# KiCad board Bestellung Rev.1.kicad_pcb (continued)
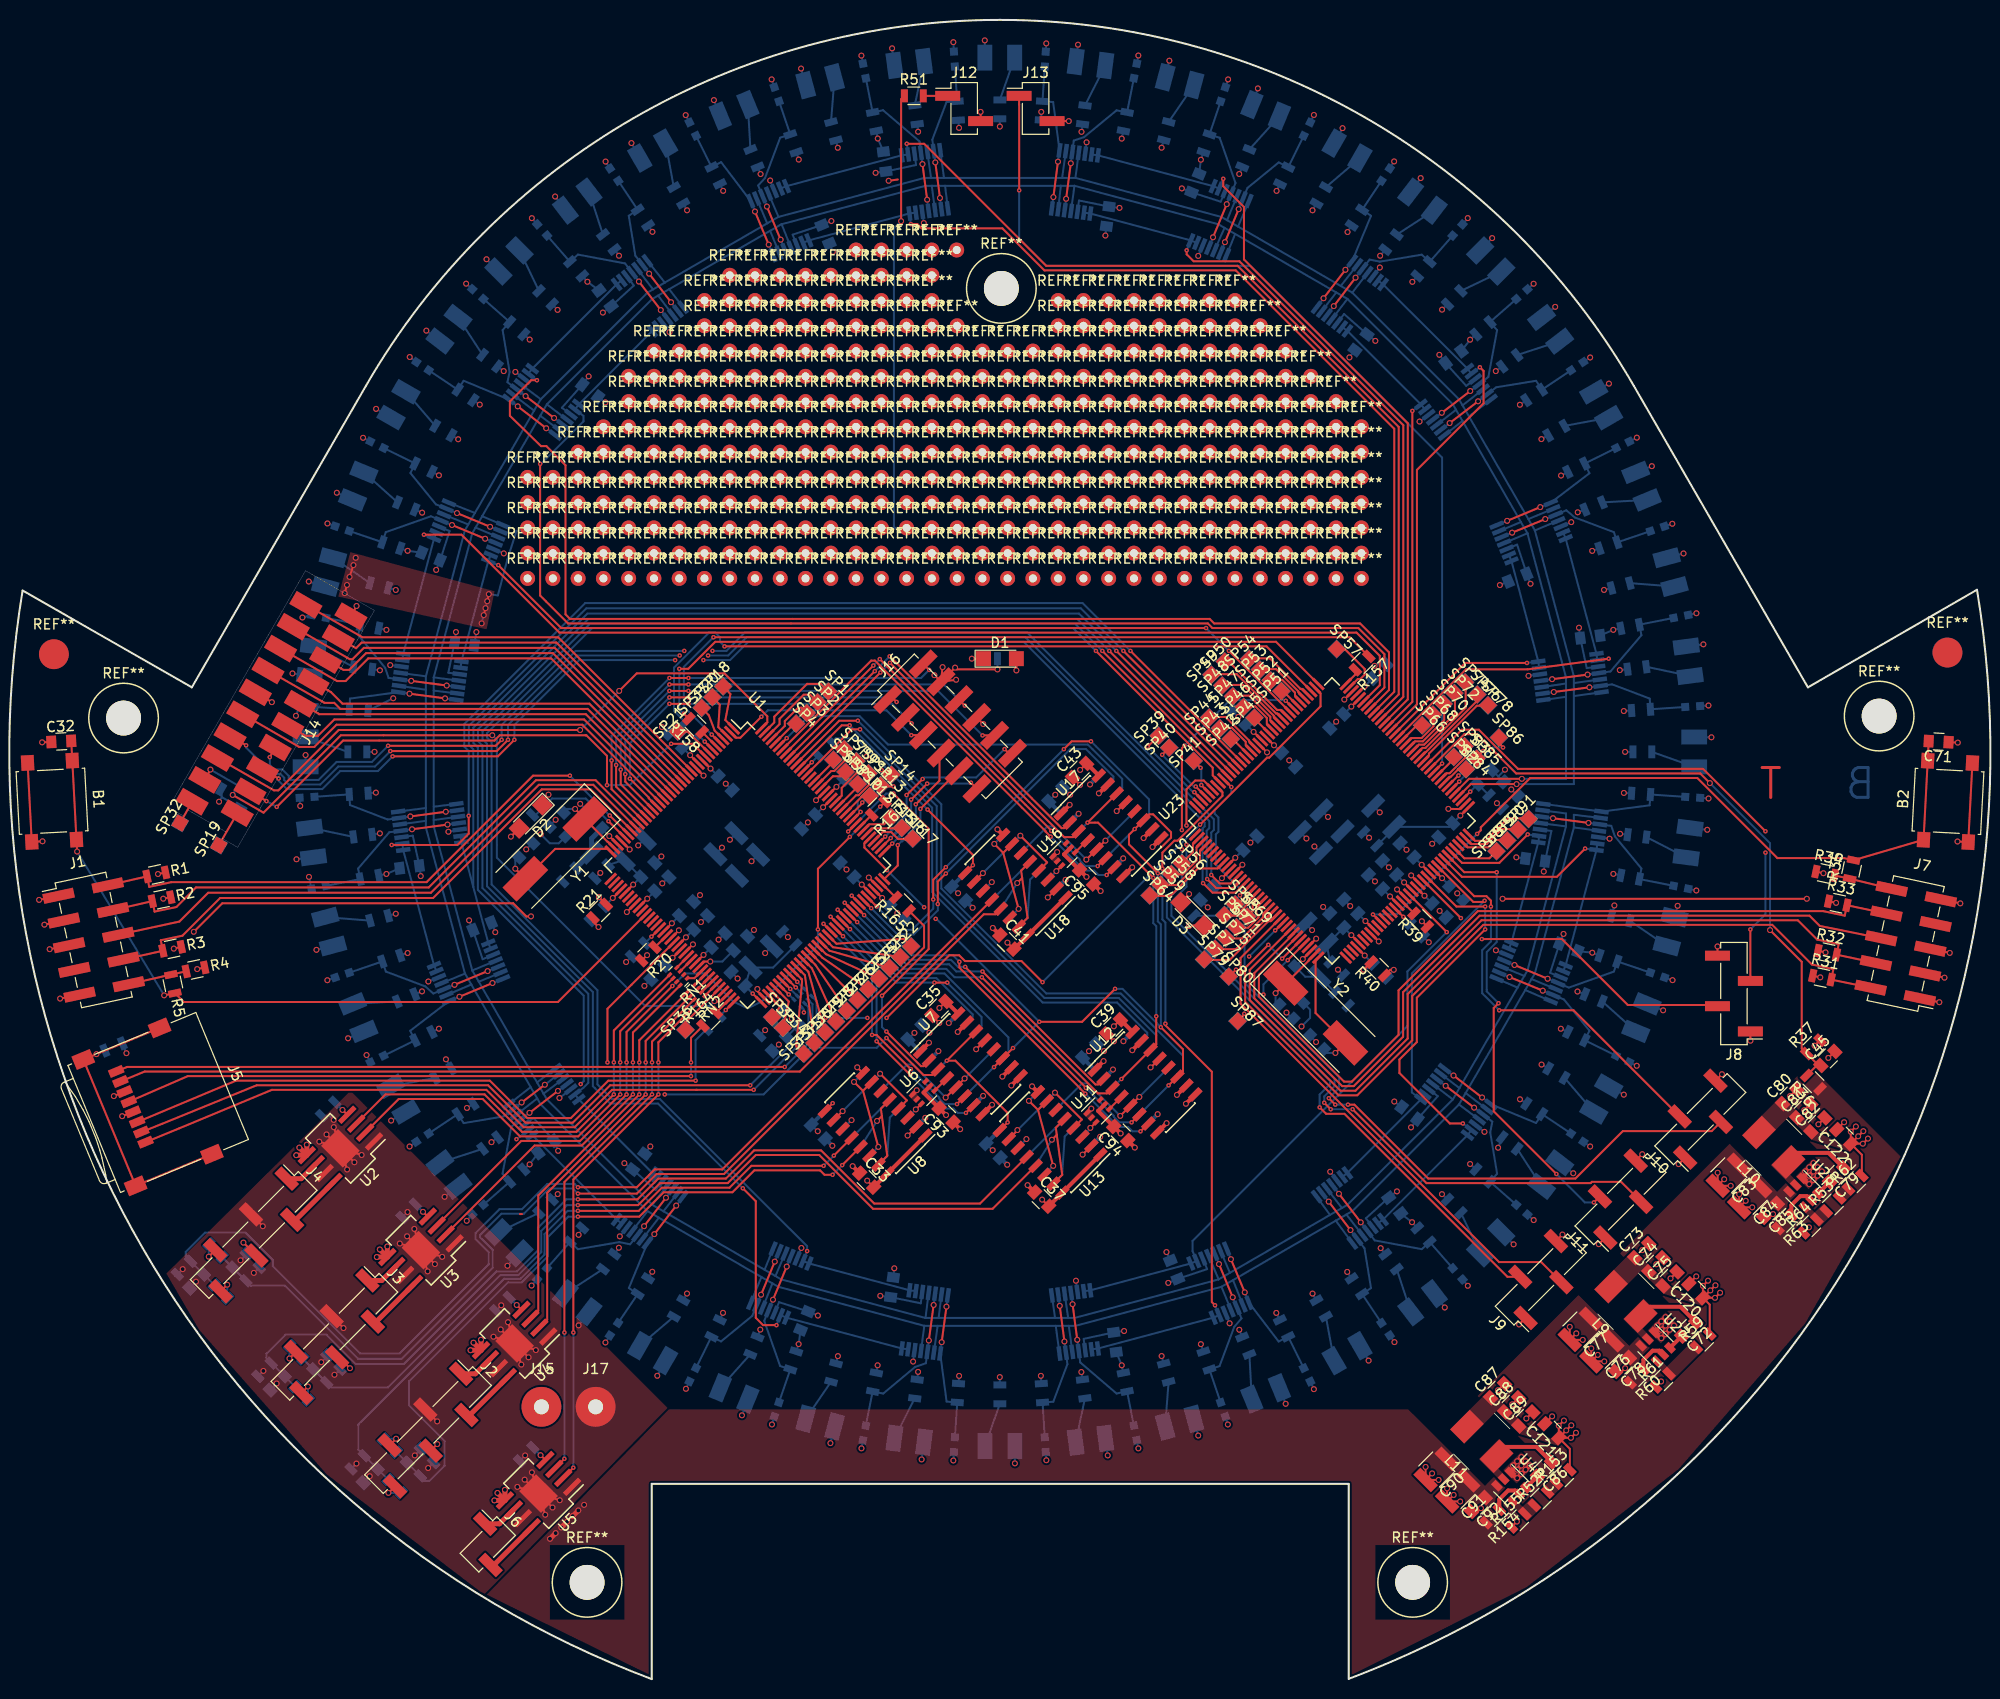
[diagram p0: board, top side]
## Routing (per net, layer and track width the routed paths; a pad name or vN(x,y) marks a point on that pad's centre or on a via; arc(x,y) is an arc through that point) (continued)
(no net): length 1.1
  Top w0.2: 89.32,150.78 v1(88.4,150.65) ; 51.53,46.76 51.33,46.76
/BAT_LED: length 45
  Top w0.2: J14.8 31.68,98.16 32.66,98.16 33.27,97.55 58.13,97.55 U1.19
/Button_back: length 40.6
  Top w0.2: J14.7 32.32,99.25 32.32,99.25 33.49,98.08 58.31,98.08 U1.18
/Button_bot: length 47
  Top w0.2: J14.6 32.95,100.35 33.8,100.35 36.08,102.63 54.47,102.63 U1.17
/Button_left: length 41.1
  Top w0.2: J14.3 34.86,103.66 35.42,104.22 55,104.22 U1.14
/Button_mid: length 46.1
  Top w0.2: J14.4 34.22,102.55 34.5,102.55 35.64,103.69 54.82,103.69 U1.15
/Button_right: length 42
  Top w0.2: J14.5 33.59,101.47 34.17,101.47 35.86,103.16 54.64,103.16 U1.16
/Button_top: length 45.2
  Top w0.2: J14.2 35.49,104.75 55.17,104.75 U1.13
/CMPS03_PWM: length 64.3
  Top w0.2: J14.16 26.6,89.36 27.04,89.36 33.11,95.43 v1(57.38,95.43) ; v1(61.31,99.36) 63.07,101.12 71.89,101.12 76.2,96.81 76.2,96.2 U1.144
  Bottom w0.2: v1(57.38,95.43) v1(61.31,99.36)
/I²C_clock: length 78.7
  Top w0.2: v1(70.88,68.17) 70.93,68.12 71.45,68.12 72.12,68.78 U1.70 ; J14.18 v1(20.21,91.45) ; v1(22.45,88.9) 25.55,87.12 33.33,94.9 v1(48.55,94.9)
  Bottom w0.2: v1(70.88,68.17) 70.39,67.68 63.92,67.68 49.01,82.59 49.01,94.44 v1(48.55,94.9) ; R26.2 v1(20.21,91.45) 22.99,89.85 v1(22.45,88.9)
/I²C_data: length 57.2
  Top w0.2: v2(26.88,87.7) 33.55,94.37 48.77,94.37 49.3,94.9 58.01,94.9 60.08,92.83 v2(60.08,89.89) ; J14.17 v2(25.85,88.28) ; v2(66.53,94.04) 68.71,94.04 70,92.75 U1.9
  Bottom w0.2: R25.2 v2(25.85,88.28) v2(26.88,87.7) ; v2(60.08,89.89) 62.37,89.89 66.52,94.04 v2(66.53,94.04)
/M_LED1: length 40.5
  Top w0.2: J14.9 31.06,97.09 31.13,97.02 57.96,97.02 U1.20
/M_LED2: length 42
  Top w0.2: J14.11 29.77,94.84 31.02,94.84 32.67,96.49 57.78,96.49 U1.21
/M_LED3: length 47
  Top w0.2: J14.12 29.13,93.73 30.66,93.73 32.89,95.96 57.6,95.96 U1.22
/Motor Controller/ENC1A: length 54.7
  Top w0.2: U7.3 92.8,60.74 91.9,60.74 v2(88.18,64.46) ; U1.55 60.13,67.4 v2(60.13,62.01)
  In2.Cu w0.2: v2(60.13,62.01) 60.13,61.06 60.79,60.4 65.38,60.4 65.89,59.89 v2(65.89,58.79)
  Bottom w0.2: v2(88.18,64.46) 87.2,63.48 80.52,63.48 75.83,58.79 v2(65.89,58.79)
/Motor Controller/ENC1B: length 40.8
  Top w0.2: v2(87.73,68.71) 92.42,73.4 92.42,85.5 v2(88.88,89.04) ; v2(84.33,85.23) 85.13,86.03 U1.117 ; v2(88.17,65.11) 91.65,61.63 91.9,61.63 92.46,62.19 U7.2
  Bottom w0.2: v2(88.17,65.11) 87.73,65.55 v2(87.73,68.71) ; v2(88.88,89.04) 88.14,89.04 v2(84.33,85.23)
/Motor Controller/ENC1C: length 27
  Top w0.2: v2(95.27,57.82) 96.06,58.6 U7.6 ; 90.63,61.37 v2(90.63,61.33) 87.19,64.77 v2(86.73,64.77) ; v2(81.85,75.94) 82.64,75.15 U1.93
  Bottom w0.2: v2(90.63,61.33) 93.48,58.48 93.48,58.38 94.04,57.82 v2(95.27,57.82) ; v2(81.85,75.94) 86.73,71.06 v2(86.73,64.77)
/Motor Controller/ENC1D: length 26.2
  Top w0.2: v2(96.17,56.93) 96.95,57.71 U7.7 ; U1.94 v2(83.81,74.7) ; v2(90.57,60.75) v2(87.19,64.13)
  Bottom w0.2: v2(90.57,60.75) 93.95,57.37 94.91,57.37 95.35,56.93 v2(96.17,56.93) ; v2(83.81,74.7) 87.19,71.32 v2(87.19,64.13)
/Motor Controller/ENC1E: length 22.2
  Top w0.2: v2(82.56,76.65) 83.36,75.85 U1.95 ; v2(93,70.03) v2(94.29,70.03)
  Bottom w0.2: U10.3 97.74,65.68 97.74,66.58 v2(94.29,70.03) ; v2(93,70.03) 89.18,70.03 v2(82.56,76.65)
/Motor Controller/ENC1F: length 18.1
  Top w0.2: v2(84.51,75.41) 83.72,76.2 U1.96
  Bottom w0.2: v2(84.51,75.41) 89.43,70.49 93.19,70.49 96.84,66.84 96.84,66.58 96.28,66.02 U10.2
/Motor Controller/ENC1G: length 26
  Top w0.2: v2(83.27,77.36) 84.07,76.56 U1.97
  Bottom w0.2: v2(83.27,77.36) 89.68,70.95 94.01,70.95 100.44,64.52 100.44,62.99 99.87,62.42 U10.6
/Motor Controller/ENC2A: length 34.2
  Top w0.2: v2(85.23,76.12) 84.44,76.91 U1.98 ; v2(97.77,70.57) 109.45,58.89 110.35,58.89 110.91,59.45 U12.3
  Bottom w0.2: v2(85.23,76.12) 89.94,71.41 94.19,71.41 95.03,70.57 v2(97.77,70.57)
/Motor Controller/ENC2B: length 35
  Top w0.2: U12.2 109.45,59.79 109.19,59.79 v2(97.83,71.15) ; v2(83.98,78.06) 84.77,77.27 U1.99
  Bottom w0.2: v2(83.98,78.06) 90.17,71.87 94.48,71.87 95.2,71.15 v2(97.83,71.15)
/Motor Controller/ENC2C: length 37.8
  Top w0.2: v2(112.82,55.98) 113.6,56.76 U12.6 ; v2(108.23,59.44) 108.22,59.45 108.22,59.48 v2(96.09,71.61) ; v2(85.93,76.82) 85.13,77.62 U1.100
  Bottom w0.2: v2(108.23,59.44) 111.03,56.64 111.03,56.54 111.59,55.98 v2(112.82,55.98) ; v2(85.93,76.82) 90.43,72.32 94.67,72.32 95.38,71.61 v2(96.09,71.61)
/Motor Controller/ENC2D: length 41.4
  Top w0.2: U12.7 v2(113.72,55.08) ; v2(108.17,58.86) 107.65,59.38 107.65,59.4 95.51,71.54 v2(95.51,72.12) ; v2(84.68,78.77) 85.48,77.97 U1.101
  Bottom w0.2: v2(108.17,58.86) 111.51,55.52 112.47,55.52 112.91,55.08 v2(113.72,55.08) ; v2(95.51,72.12) 94.85,72.78 90.67,72.78 v2(84.68,78.77)
/Motor Controller/ENC2E: length 56.4
  Top w0.2: v2(85.52,95.5) 84.69,95.5 80.18,90.99 U1.131
  Bottom w0.2: v2(85.52,95.5) 93.23,87.79 93.23,79.32 104.06,68.49 111.54,68.49 115.3,64.73 115.3,63.84 114.74,63.27 U15.3
/Motor Controller/ENC2F: length 55.5
  Top w0.2: U1.133 83.68,95.9 v2(84.48,95.9)
  Bottom w0.2: v2(84.48,95.9) 92.77,87.61 92.77,79.14 103.88,68.03 111.36,68.03 114.4,64.99 114.4,64.74 113.83,64.17 U15.2
/Motor Controller/ENC2G: length 61.9
  Top w0.2: v2(85.3,96.36) 83.43,96.36 79.12,92.05 U1.134
  Bottom w0.2: v2(85.3,96.36) 93.69,87.97 93.69,79.5 104.25,68.94 111.73,68.94 117.99,62.68 117.99,61.15 117.43,60.58 U15.6
/Motor Controller/ENC3A: length 40.3
  Top w0.2: v2(87.57,101.21) 78.77,92.4 U1.135 ; v2(88.53,102.18) 106.05,84.66 106.94,84.66 107.51,85.22 U17.3
  Bottom w0.2: v2(88.53,102.18) 87.57,101.22 v2(87.57,101.21)
/Motor Controller/ENC3B: length 39.8
  Top w0.2: U17.2 106.04,85.56 105.79,85.56 88.51,102.84 v2(88.51,102.84) ; v2(87.01,101.35) 78.42,92.75 U1.136
  Bottom w0.2: v2(88.51,102.84) 87.02,101.35 v2(87.01,101.35)
/Motor Controller/ENC3C: length 45.1
  Top w0.2: v2(109.41,81.75) 110.2,82.53 U17.6 ; v2(104.75,85.28) 104.76,85.29 104.76,85.31 v2(87.51,102.56) ; v2(86.86,101.91) U1.137
  Bottom w0.2: v2(104.75,85.28) 107.62,82.41 107.62,82.31 108.18,81.75 v2(109.41,81.75) ; v2(87.51,102.56) v2(86.86,101.91)
/Motor Controller/ENC3D: length 46.4
  Top w0.2: v2(110.31,80.85) U17.7 ; v2(104.69,84.7) 104.17,85.22 104.17,85.26 87.02,102.41 86.65,102.41 77.71,93.46 U1.138
  Bottom w0.2: v2(104.69,84.7) 108.1,81.29 109.05,81.29 109.49,80.85 v2(110.31,80.85)
/Motor Controller/ENC3E: length 40.1
  Top w0.2: v2(78.15,94.61) 77.36,93.81 U1.139
  Bottom w0.2: v2(78.15,94.61) 80.36,96.82 85.48,96.82 88.33,93.97 108.42,93.97 111.88,90.51 111.88,89.61 111.32,89.05 U20.3
/Motor Controller/ENC3F: length 38.2
  Top w0.2: v2(94.15,81) 93.34,80.19 v2(93.34,77.93) ; v2(86.64,77.52) 85.84,78.32 U1.102
  Bottom w0.2: U20.2 110.99,90.51 110.99,90.76 108.24,93.51 106.66,93.51 v2(94.15,81) ; v2(86.64,77.52) 89.28,74.88 90.93,74.88 93.34,77.29 v2(93.34,77.93)
/Motor Controller/ENC3G: length 44.1
  Top w0.2: v2(106.02,93.51) 106.8,94.29 v2(108.74,94.29) ; v2(94.15,81.64) 92.88,80.37 v2(92.88,78.39) ; v2(87.19,77.69) 86.2,78.68 U1.103
  Bottom w0.2: v2(106.02,93.51) v2(94.15,81.64) ; v2(87.19,77.69) 89.54,75.34 90.75,75.34 92.88,77.47 v2(92.88,78.39) ; v2(108.74,94.29) 114.58,88.45 114.58,86.92 114.02,86.36 U20.6
/Motor Controller/ENC_CLK: length 115.4
  Top w0.2: v2(111.8,60.34) 111.8,60.34 U12.14 114.74,63.27 115.3,63.84 v2(115.3,66.65) ; U17.14 v2(108.39,86.11) 109.46,86.11 v2(115,80.57) ; U7.14 94.25,62.18 v2(94.25,62.18) 95.11,62.18 100.36,56.93 v2(100.36,55.98) 99.58,55.2 U13.9 ; v2(82.77,57.91) 81.99,57.12 U8.9 ; v2(92.31,87.43) 96.87,82.87 v2(96.87,81.84) 96.09,81.06 U18.9
  In2.Cu w0.2: v2(111.8,60.34) 111,60.34 106.64,55.98 v2(100.36,55.98) ; v2(94.25,62.18) 93.44,62.18 89.17,57.91 v2(82.77,57.91) ; v2(108.39,86.11) 107.55,86.11 103.27,81.84 v2(96.87,81.84)
  Bottom w0.2: v2(94.25,62.18) 94.24,62.18 U10.14 ; v2(111.8,60.34) 111.79,60.34 U15.14 ; v2(108.39,86.11) U20.14 ; v2(92.31,87.43) 85.14,94.6 83.08,94.6 82.68,94.19 R54.2 ; v2(115.3,66.65) 115.3,75.71 115,76.01 v2(115,80.57)
/Motor Controller/ENC_LOAD: length 96
  Top w0.2: v2(116.55,59.7) U12.11 117.43,60.58 117.99,61.15 117.99,63.32 v2(115.76,65.55) ; v2(98.99,61.53) 98.99,61.54 U7.11 99.87,62.42 v2(100.9,63.45) ; v2(111.16,69.4) 107.85,66.09 v2(103.54,66.09) ; 115.76,83.58 116.79,84.61 116.79,85.15 114.99,86.95 114.62,86.95 U17.11 v2(113.14,85.47) 112.56,84.89 112.56,83.93 v2(115.46,81.03) ; U1.113 85.96,84.04 85.96,83.61 v2(88.22,81.35)
  In2.Cu w0.2: v2(93.13,76.44) v2(91.96,77.61)
  Bottom w0.2: U10.11 98.99,61.53 v2(98.99,61.53) ; v2(116.55,59.7) U15.11 ; v2(113.14,85.47) U20.11 ; v2(111.16,69.4) 111.91,69.4 v2(115.76,65.55) 115.76,75.89 115.46,76.19 v2(115.46,81.03) ; v2(100.9,63.45) v2(103.54,66.09) 93.19,76.44 v2(93.13,76.44) ; v2(88.22,81.35) v2(91.96,77.61)
/Motor Controller/Encoder 1/0: length 8.4
  Top w0.2: v1(90.3,54.66) U8.2
  In2.Cu w0.2: v1(84.67,56.2) v1(90.3,54.66)
  Bottom w0.2: U9.12 v1(84.67,56.2)
/Motor Controller/Encoder 1/1: length 10.9
  Top w0.2: v1(84.92,60.04) 85.82,59.15 ; 85.82,59.15 U8.7 ; 85.82,59.15 v1(87.36,53.51)
  Bottom w0.2: U9.1 v1(84.92,60.04) ; v1(87.36,53.51) U9.9
/Motor Controller/Encoder 1/2: length 12.8
  Top w0.2: v1(83.77,57.1) 83.76,57.1 U8.10 ; v1(87.54,60.87) 90.23,58.18 U8.4
  Bottom w0.2: U9.13 v1(83.77,57.1) U9.2 v1(87.54,60.87)
/Motor Controller/Encoder 1/3: length 11.1
  Top w0.2: U8.5 87.62,57.36 87.72,56.61 ; 87.72,56.61 v1(87.23,56.12) ; 87.72,56.61 88.26,52.61 U8.15
  Bottom w0.2: U9.10 v1(87.23,56.12)
/Motor Controller/Encoder 1/4: length 5.4
  Bottom w0.2: U9.11 U9.4
/Motor Controller/Encoder 1/5: length 6.4
  Bottom w0.2: U9.5 88.52,56.46 88.26,52.61 U9.8
/Motor Controller/Encoder 1/Direction: length 15.9
  Top w0.2: v1(96.04,60.39) 96.04,60.38 U7.5 v1(94.14,58.47)
  Bottom w0.2: v1(96.04,60.39) 96.04,60.39 U10.5 ; U9.3 90.25,61.79 90.82,61.79 v1(94.14,58.47)
/Motor Controller/Encoder 1/ENC1_H: length 0
  Bottom w0.2: U10.7 100.77,61.53
/Motor Controller/Encoder 1/ENC1_out_A: length 73.3
  Top w0.2: v2(83.73,51.68) 85.58,53.52 U8.13 85.57,53.53 ; v2(57.16,46.5) 63.33,46.5 65.78,48.95 72.69,48.95 74.89,51.15 81.51,51.15 81.95,50.71 v2(82.76,50.71)
  Bottom w0.2: v2(57.16,46.5) 56.19,46.5 54.13,44.44 54.13,42.51 51.51,39.89 50.12,39.89 40.17,29.94 40.17,27.54 43.76,23.95 43.76,21.47 42.23,19.94 41.8,19.94 R6.1 C2.1 R7.2 ; v2(82.76,50.71) v2(83.73,51.68)
/Motor Controller/Encoder 1/ENC1_out_B: length 69.5
  Top w0.2: v2(82.89,52.64) U8.12 84.67,54.43 ; v2(57.16,47.08) 63.27,47.08 65.6,49.41 72.4,49.41 74.6,51.61 v2(81.86,51.61)
  Bottom w0.2: v2(57.16,47.08) 56.13,47.08 53.8,44.75 53.8,42.67 51.39,40.26 49.74,40.26 35.08,25.6 35.08,23.07 35.69,22.46 R8.1 C1.1 R9.2 ; v2(81.86,51.61) v2(82.89,52.64)
/Motor Controller/Encoder 2/0: length 8.4
  Top w0.2: v1(107.9,52.74) 107.9,52.74 U13.2
  In2.Cu w0.2: v1(102.25,54.3) v1(107.9,52.74)
  Bottom w0.2: v1(102.25,54.3) U14.12
/Motor Controller/Encoder 2/1: length 12.1
  Top w0.2: 103.89,57.71 U13.7 103.42,57.23 ; v1(104.94,51.6) 103.42,57.23 ; 103.42,57.23 v1(102.5,58.14)
  Bottom w0.2: U14.9 v1(104.94,51.6) ; v1(102.5,58.14) U14.1 102.94,58.58
/Motor Controller/Encoder 2/2: length 12.8
  Top w0.2: v1(101.35,55.2) 101.35,55.17 U13.10 ; v1(105.12,58.97) 107.82,56.26 U13.4
  Bottom w0.2: U14.13 101.35,55.19 v1(101.35,55.2) 101.36,55.2 U14.2 v1(105.12,58.97)
/Motor Controller/Encoder 2/3: length 11.8
  Top w0.2: 105.3,54.72 105.85,50.7 U13.15 105.48,50.32 ; 105.3,54.72 v1(104.81,54.23) ; 105.3,54.72 105.21,55.44 U13.5
  Bottom w0.2: U14.10 v1(104.81,54.23)
/Motor Controller/Encoder 2/4: length 5.4
  Bottom w0.2: U14.11 U14.4
/Motor Controller/Encoder 2/5: length 6.4
  Bottom w0.2: U14.8 105.84,50.71 106.1,54.55 U14.5
/Motor Controller/Encoder 2/Direction: length 15.8
  Top w0.2: v1(113.6,58.53) 113.58,58.53 U12.5 v1(111.68,56.63)
  Bottom w0.2: v1(113.6,58.53) 113.6,58.55 U15.5 ; U14.3 107.85,59.9 108.42,59.9 v1(111.68,56.63)
/Motor Controller/Encoder 2/ENC2_H: length 0
  Bottom w0.2: U15.7 118.32,59.68
/Motor Controller/Encoder 2/ENC2_out_A: length 89.8
  Top w0.2: v2(57.16,47.66) 63.21,47.66 65.42,49.87 72.22,49.87 75.05,52.7 81.42,52.7 86.83,47.29 98.85,47.29 103.17,51.61 U13.13
  Bottom w0.2: v2(57.16,47.66) 56.06,47.66 53.47,45.07 53.47,42.93 51.16,40.62 49.35,40.62 38.05,29.32 32.39,29.32 31.9,29.81 R10.1 C4.1 R11.2
/Motor Controller/Encoder 2/ENC2_out_B: length 97.3
  Top w0.2: v2(57.16,48.24) 63.15,48.24 65.24,50.33 72.04,50.33 74.87,53.16 81.61,53.16 86.95,47.82 97.59,47.82 102.27,52.5 U13.12
  Bottom w0.2: v2(57.16,48.24) 56,48.24 53.14,45.38 53.14,43.11 51.02,40.99 48.97,40.99 39.66,31.68 34.83,31.68 31.86,34.65 27.78,34.65 25.84,32.71 25.84,32.28 26.33,31.79 R12.1 C3.1 R13.2
/Motor Controller/Encoder 3/0: length 8.3
  Top w0.2: v1(104.4,78.59) U18.2
  In2.Cu w0.2: v1(98.77,80.14) v1(104.4,78.59)
  Bottom w0.2: U19.12 v1(98.77,80.14)
/Motor Controller/Encoder 3/1: length 10.9
  Top w0.2: v1(99.02,83.98) 99.92,83.08 ; 99.92,83.08 U18.7 ; 99.92,83.08 v1(101.47,77.44)
  Bottom w0.2: U19.1 v1(99.02,83.98) ; v1(101.47,77.44) U19.9
/Motor Controller/Encoder 3/2: length 12.8
  Top w0.2: v1(101.64,84.8) 104.33,82.12 U18.4 ; v1(97.87,81.03) U18.10
  Bottom w0.2: v1(101.64,84.8) U19.2 v1(97.87,81.03) U19.13
/Motor Controller/Encoder 3/3: length 11.1
  Top w0.2: U18.5 101.72,81.29 101.82,80.55 ; 101.82,80.55 v1(101.32,80.04) ; 101.82,80.55 102.36,76.54 U18.15
  Bottom w0.2: U19.10 v1(101.32,80.04)
/Motor Controller/Encoder 3/4: length 5.4
  Bottom w0.2: U19.11 U19.4
/Motor Controller/Encoder 3/5: length 6.4
  Bottom w0.2: U19.5 102.62,80.39 102.36,76.54 U19.8
/Motor Controller/Encoder 3/Direction: length 15.9
  Top w0.2: v1(110.2,84.3) 110.18,84.3 U17.5 v1(108.28,82.4)
  Bottom w0.2: v1(110.2,84.3) 110.2,84.32 U20.5 ; U19.3 104.37,85.74 104.94,85.74 v1(108.28,82.4)
/Motor Controller/Encoder 3/ENC3_H: length 0
  Bottom w0.2: U20.7 114.92,85.45
/Motor Controller/Encoder 3/ENC3_out_A: length 105.4
  Top w0.2: U18.13 99.68,77.46 99.12,76.9 97.96,76.9 71.85,50.79 65.06,50.79 63.09,48.82 v2(57.16,48.82)
  Bottom w0.2: v2(57.16,48.82) 56.65,49.33 54.26,49.33 51.72,46.79 49.46,46.79 47.31,44.64 47.31,44.44 48.59,43.16 48.59,41.36 39.44,32.21 35.05,32.21 27.7,39.56 24.27,39.56 23.78,40.05 R14.1 23.78,40.05 C8.1 R15.2
/Motor Controller/Encoder 3/ENC3_out_B: length 114.6
  Top w0.2: v2(57.16,49.46) 63.09,49.46 64.88,51.25 71.67,51.25 98.78,78.36 U18.12
  Bottom w0.2: v2(57.16,49.46) 56.83,49.79 54.08,49.79 51.54,47.25 49.28,47.25 46.86,44.83 46.86,44.25 48.19,42.92 48.19,41.71 39.22,32.74 35.27,32.74 26.48,41.53 26.48,42.15 23.74,44.89 19.67,44.89 17.73,42.95 17.73,42.51 18.22,42.02 R16.1 C7.1 R17.2
/Motor Controller/JTAG_Test_Clock: length 60.9
  Top w0.2: J1.4 R2.2 14.6,77.17 16.79,77.63 18.76,79.6 42.16,79.6 52.94,90.38 58.94,90.38 63.28,86.04 U1.28
/Motor Controller/JTAG_Test_Data_In: length 60.3
  Top w0.2: J1.8 R3.2 15.22,74.29 17.4,74.75 21.19,78.54 42.6,78.54 53.52,89.46 58.44,89.46 62.57,85.33 U1.30
/Motor Controller/JTAG_Test_Data_Out: length 59.6
  Top w0.2: J1.6 17.09,76.17 19.99,79.07 42.38,79.07 53.23,89.92 58.7,89.92 62.93,85.69 U1.29
/Motor Controller/JTAG_Test_Mode_Select: length 60.2
  Top w0.2: J1.2 R1.2 14.06,79.66 16.28,80.13 41.94,80.13 52.65,90.84 v2(56.35,90.84) ; v2(60.36,86.83) 62.21,84.97 U1.31
  Bottom w0.2: v2(60.36,86.83) v2(56.35,90.84)
/Motor Controller/LED1: length 11.6
  Top w0.2: U1.32 v2(60.23,86.26)
  Bottom w0.2: v2(60.23,86.26) 57.95,88.54 54.56,88.54 52.91,86.88 R30.2 52.6,86.88
/Motor Controller/PWM0H: length 1.6
  Top w0.2: RN1.3 U1.60
/Motor Controller/PWM0L: length 1.6
  Top w0.2: RN1.4 U1.59
/Motor Controller/PWM1H: length 1.8
  Top w0.2: RN1.1 68.86,70.47 U1.63
/Motor Controller/PWM1L: length 1.7
  Top w0.2: U1.116 R167.2
/Motor Controller/PWM2H: length 1.6
  Top w0.2: RN2.3 U1.65
/Motor Controller/PWM2L: length 1.6
  Top w0.2: RN2.4 U1.64
/Motor Controller/PWM3H: length 1.6
  Top w0.2: RN2.1 U1.67
/Motor Controller/PWM3L: length 1.6
  Top w0.2: RN2.2 U1.66
/Motor Controller/RESET: length 80.5
  Top w0.2: C32.2 B1.1 B1.1 v1(6.81,83.21) ; v1(15.56,68.75) R5.2 17.54,68.08 55.15,68.08 63.99,76.91 U1.47
  Bottom w0.2: v1(6.81,83.21) v1(15.56,68.75)
/RPi1: length 38.3
  Top w0.2: v2(61.92,90.99) 61.92,90.23 64.7,87.45 U1.24 ; v2(89.2,98.25) 88.95,98.5 J16.1 ; v2(68.27,98.71) v2(66.36,98.71)
  Bottom w0.2: v2(66.36,98.71) 61.92,94.27 v2(61.92,90.99) ; v2(68.27,98.71) 88.74,98.71 v2(89.2,98.25)
/RPi2: length 45.3
  Top w0.2: v2(60.54,92.37) 60.54,89.48 63.63,86.39 U1.27 63.64,86.39 ; v2(92.47,101.47) 91.87,102.07 J16.2 ; v2(68.27,100.66) v2(66.36,100.66)
  Bottom w0.2: v2(66.36,100.66) 60.54,94.84 v2(60.54,92.37) ; v2(68.27,100.66) 91.66,100.66 v2(92.47,101.47)
/RPi3: length 22.1
  Top w0.2: v2(75.6,96.76) 73.49,94.65 73.06,94.65 72.48,95.23 U1.2 ; v2(90.68,94.91) 90.68,94.91 J16.5 92.14,94.91
  Bottom w0.2: v2(90.68,94.91) 88.18,97.41 76.25,97.41 v2(75.6,96.76)
/RPi4: length 48.2
  Top w0.2: v2(61,91.91) 61,89.73 63.99,86.74 U1.26 ; v2(96.06,97.88) 95.46,98.48 J16.6 ; v2(68.27,100.01) v2(66.36,100.01)
  Bottom w0.2: v2(66.36,100.01) 61,94.65 v2(61,91.91) ; v2(68.27,100.01) 93.93,100.01 v2(96.06,97.88)
/RPi5: length 50
  Top w0.2: v2(61.46,91.45) 61.46,89.98 64.34,87.1 U1.25 ; v2(97.84,94.89) 97.84,94.89 J16.10 ; v2(68.27,99.36) v2(66.36,99.36)
  Bottom w0.2: v2(66.36,99.36) 61.46,94.46 v2(61.46,91.45) ; v2(68.27,99.36) 93.36,99.36 97.83,94.89 v2(97.84,94.89)
/RPi6: length 39
  Top w0.2: v2(62.38,90.54) 64.28,88.64 64.28,88.57 65.05,87.8 U1.23 ; v2(90.7,96.1) 90.09,96.71 J16.3 ; v2(68.27,98.06) v2(66.36,98.06)
  Bottom w0.2: v2(66.36,98.06) 62.38,94.08 v2(62.38,90.54) ; v2(68.27,98.06) 88.74,98.06 v2(90.7,96.1)
/S_LED1: length 121.3
  Top w0.2: J14.13 v2(26.18,92.7) ; v2(49.49,94.44) 48.89,93.84 v2(38.07,93.84) ; v2(120.83,80.85) 121.68,80 122.79,80 123.46,80.67 U23.13
  In1.Cu w0.2: v2(67.85,103.38) v2(70.69,103.38)
  Bottom w0.2: v2(120.83,80.85) 120.83,85.12 121.09,85.38 121.09,86.46 102.33,105.22 73.93,105.22 72.09,103.38 v2(70.69,103.38) ; v2(38.07,93.84) 36.45,92.22 32.89,92.22 31.08,90.41 28.26,90.41 28.09,90.58 28.09,90.81 27.43,91.47 26.63,91.47 26.18,91.92 v2(26.18,92.7) ; v2(49.49,94.44) 49.49,95.94 56.93,103.38 v2(67.85,103.38)
/S_LED2: length 125.3
  Top w0.2: v2(120.42,80.44) 121.32,79.54 123.04,79.54 123.82,80.31 U23.14 ; J14.14 v2(23.8,93.89) ; v2(50.13,94.44) 49,93.31 v2(38.3,93.31)
  In1.Cu w0.2: v2(67.39,102.92) v2(70.24,102.92)
  Bottom w0.2: v2(38.3,93.31) 36.75,91.76 33.07,91.76 31.26,89.95 28.08,89.95 27.63,90.4 27.63,90.63 27.25,91.01 26.45,91.01 23.8,93.66 v2(23.8,93.89) ; v2(67.39,102.92) 57.11,102.92 50.13,95.94 v2(50.13,94.44) ; v2(120.42,80.44) 120.37,80.49 120.37,85.3 120.63,85.56 120.63,86.28 102.15,104.76 74.11,104.76 72.27,102.92 v2(70.24,102.92)
/S_LED3: length 121.2
  Top w0.2: v2(120.01,80.03) 120.96,79.08 123.28,79.08 124.17,79.96 U23.15 ; J14.15 v2(27.07,90.55) ; v2(50.77,94.44) 49.11,92.78 v2(38.53,92.78)
  In1.Cu w0.2: v2(66.93,102.46) v2(69.78,102.46)
  Bottom w0.2: v2(38.53,92.78) 37.05,91.3 33.26,91.3 31.45,89.49 27.9,89.49 27.07,90.32 v2(27.07,90.55) ; v2(69.78,102.46) 72.45,102.46 74.29,104.3 101.97,104.3 120.17,86.1 120.17,85.74 119.96,85.53 119.96,80.08 v2(120.01,80.03) ; v2(66.93,102.46) 57.29,102.46 50.77,95.94 v2(50.77,94.44)
/Sensor Controller/1BLACK: length 105.6
  Top w0.2: U23.99 137.54,96.86 139.68,99.01 139.68,125.9 123.48,142.1 104.24,142.1 91.97,154.37 v2(90.22,154.37)
  Bottom w0.2: U25.13 U25.14 U24.1 U24.2 v2(90.22,154.37)
/Sensor Controller/1WHITE: length 99.3
  Top w0.2: U23.100 139.23,99.27 139.23,125.71 123.3,141.64 104.06,141.64 99.83,145.87 91.71,145.87 91.29,146.29 v2(90.63,146.29)
  Bottom w0.2: U24.13 U24.14 ; U24.14 U25.1 U25.2 ; U24.14 v2(90.63,146.29)
/Sensor Controller/2BLACK: length 132.8
  Top w0.2: v2(53.04,130.6) 52.46,130.6 50.32,128.46 50.32,127.02 53.45,123.97 53.99,123.97 55.91,122.05 55.91,107.06 56.36,106.6 120.67,106.6 121.13,106.14 135.8,106.14 138.7,103.24 138.7,99.45 136.83,97.57 U23.101
  Bottom w0.2: U21.2 U21.1 U22.14 U22.13 v2(53.04,130.6)
/Sensor Controller/2WHITE: length 126
  Top w0.2: v2(53.36,122.19) 53.36,108.95 56.17,106.14 120.49,106.14 120.95,105.68 135.62,105.68 138.24,103.06 138.24,99.7 136.47,97.93 U23.102
  Bottom w0.2: U21.13 U21.14 U22.1 U22.2 57.72,127.01 57.72,126.46 53.45,122.19 v2(53.36,122.19) 53.43,122.26 53.44,122.26
/Sensor Controller/3BLACK: length 120.8
  Top w0.2: U23.103 136.12,98.28 137.78,99.94 137.78,102.88 135.44,105.22 55.3,105.22 45.45,115.07 v2(41.68,115.07)
  Bottom w0.2: U26.2 U26.1 ; U26.1 U29.14 U29.13 ; U26.1 v2(41.68,115.07)
/Sensor Controller/3WHITE: length 98.6
  Top w0.2: v2(122.61,103.38) 128.77,97.22 U23.117 ; v2(49.15,112.01) 55.48,105.68 v2(120.31,105.68)
  Bottom w0.2: U26.13 U26.14 ; U26.14 U29.1 U29.2 ; U26.14 v2(49.15,112.01) ; v2(122.61,103.38) v2(120.31,105.68)
/Sensor Controller/4BLACK: length 123.5
  Top w0.2: v2(112.71,103.38) 123.82,92.27 U23.131 ; v2(46.18,86.8) 46.18,85.01 45.04,83.87 v2(38.44,83.87)
  Bottom w0.2: U31.13 U31.14 U30.1 U30.2 v2(38.44,83.87) ; v2(46.18,86.8) 46.18,93.31 45.73,93.76 45.73,96.03 57.89,108.19 107.9,108.19 v2(112.71,103.38)
/Sensor Controller/4WHITE: length 116.8
  Top w0.2: v2(112,103.38) 123.46,91.92 U23.132
  Bottom w0.2: U30.13 U30.14 46.64,79.65 ; U31.2 U31.1 46.64,79.65 ; 46.64,79.65 46.64,93.49 46.19,93.94 46.19,95.85 58,107.66 107.72,107.66 v2(112,103.38)
/Sensor Controller/5BLACK: length 151.6
  Top w0.2: v2(111.29,103.38) U23.133
  In2.Cu w0.2: v2(50.98,54.29) 56.12,58.24 v2(57.44,59.83)
  Bottom w0.2: U33.13 U33.14 U32.1 U32.2 v2(50.98,54.29) ; v2(57.44,59.83) 57.74,60.13 57.74,68.72 47.1,79.36 47.1,93.68 46.65,94.13 46.65,95.67 58.11,107.13 107.54,107.13 v2(111.29,103.38)
/Sensor Controller/5WHITE: length 140.3
  Top w0.2: v2(110.58,103.38) 122.75,91.21 U23.134
  Bottom w0.2: U33.2 U33.1 U32.14 U32.13 57.71,59.46 58.2,59.95 58.2,68.9 47.56,79.54 47.56,93.86 47.11,94.31 47.11,95.49 58.22,106.6 107.36,106.6 v2(110.58,103.38)
/Sensor Controller/6BLACK: length 175.6
  Top w0.2: v2(109.88,103.38) 122.4,90.86 U23.135 ; v2(73.74,49.35) 75.04,48.05 75.04,36.33 75.78,35.59 v2(77.12,35.59)
  Bottom w0.2: U35.13 U35.14 U34.1 U34.2 v2(77.12,35.59) ; v2(73.74,49.35) 65.22,57.87 60.41,57.87 58.66,59.62 58.66,69.08 48.02,79.72 48.02,94.04 47.57,94.49 47.57,95.31 58.4,106.14 107.12,106.14 v2(109.88,103.38)
/Sensor Controller/6WHITE: length 166
  Top w0.2: v2(109.24,103.38) 120.98,91.64 120.98,90.86 121.69,90.15 U23.137
  Bottom w0.2: U35.2 U35.1 U34.14 U34.13 v2(80.2,43.04) 80.2,43.53 65.4,58.33 60.59,58.33 59.12,59.8 59.12,69.26 48.48,79.9 48.48,94.22 48.02,94.68 48.02,95.12 58.58,105.68 106.94,105.68 v2(109.24,103.38)
/Sensor Controller/7BLACK: length 71.6
  Top w0.2: 116.22,65.74 120.89,61.07 120.89,37.91 v2(121.21,37.59) ; U23.138 121.96,89.17 121.96,88.81 117.45,84.3 117.12,84.3 115.92,83.1 v2(115.92,81.49)
  Bottom w0.2: U36.2 U36.1 U37.14 U37.13 v2(121.21,37.59) ; v2(115.92,81.49) 115.92,76.38 116.22,76.08 v2(116.22,65.9)
/Sensor Controller/7WHITE: length 60.9
  Top w0.2: v2(144.51,75.11) 140.72,78.9 U23.55
  Bottom w0.2: U36.13 U36.14 U37.1 U37.2 118.95,43.04 118.95,44.06 140.55,65.66 140.55,71.15 v2(144.51,75.11)
/Sensor Controller/8BLACK: length 50.3
  Top w0.2: v2(148.37,75.38) 141.5,68.51 141.5,64.05 139.75,62.3 139.75,60.94 144.82,55.87 v2(146.13,55.87) ; v2(148.37,77.68) 145.48,77.68 142.49,80.67 U23.60
  Bottom w0.2: U38.2 U38.1 U39.14 U39.13 v2(146.13,55.87) ; v2(148.37,77.68) v2(148.37,75.38)
/Sensor Controller/8WHITE: length 41.5
  Top w0.2: v2(148.31,78.26) 148.19,78.14 147.18,78.14 143.59,81.73 U23.63
  Bottom w0.2: U38.13 U38.14 U39.1 ; U39.1 U39.2 ; U39.1 141,58.99 141,70.95 v2(148.31,78.26)
/Sensor Controller/9BLACK: length 30.5
  Top w0.2: U23.65 146.02,80.67 155.58,80.67 v2(158.42,83.51)
  Bottom w0.2: U40.2 U40.1 U41.14 ; U41.14 U41.13 ; U41.14 v2(158.42,83.51)
/Sensor Controller/9WHITE: length 22.2
  Top w0.2: v2(152.65,84.93) 149.79,82.07 146.04,82.07 144.96,83.15 U23.67
  Bottom w0.2: U40.13 U40.14 U41.1 U41.2 v2(152.65,84.93)
/Sensor Controller/10BLACK: length 38.5
  Top w0.2: v2(160.79,102.6) 152.65,101.53 146.44,101.53 U23.93
  Bottom w0.2: U43.13 U43.14 U42.1 U42.2 v2(160.79,102.6)
/Sensor Controller/10WHITE: length 29.1
  Top w0.2: U23.94 146.37,102.17 v2(152.57,102.17)
  Bottom w0.2: U42.13 U42.14 ; U42.14 U43.1 U43.2 ; U42.14 v2(152.57,102.17)
/Sensor Controller/11BLACK: length 54.8
  Top w0.2: U23.95 141.51,98.01 141.51,121.58 148.21,128.28 148.21,131.53 v2(147.84,131.9)
  Bottom w0.2: U45.13 U45.14 U44.1 U44.2 v2(147.84,131.9)
/Sensor Controller/11WHITE: length 45.6
  Top w0.2: U23.96 141.05,98.26 v2(141.05,127.51)
  Bottom w0.2: U44.14 U44.13 ; U44.14 U45.1 U45.2 ; U44.14 v2(141.05,127.51)
/Sensor Controller/12BLACK: length 77.7
  Top w0.2: U23.97 138.24,96.16 140.59,98.51 140.59,126.27 124.12,142.74 124.12,148.02 122.04,150.1 v2(122.04,150.85)
  Bottom w0.2: U47.13 U47.14 U46.1 U46.2 v2(122.04,150.85)